# KiCad board Panel-DIY305.kicad_pcb (continued)
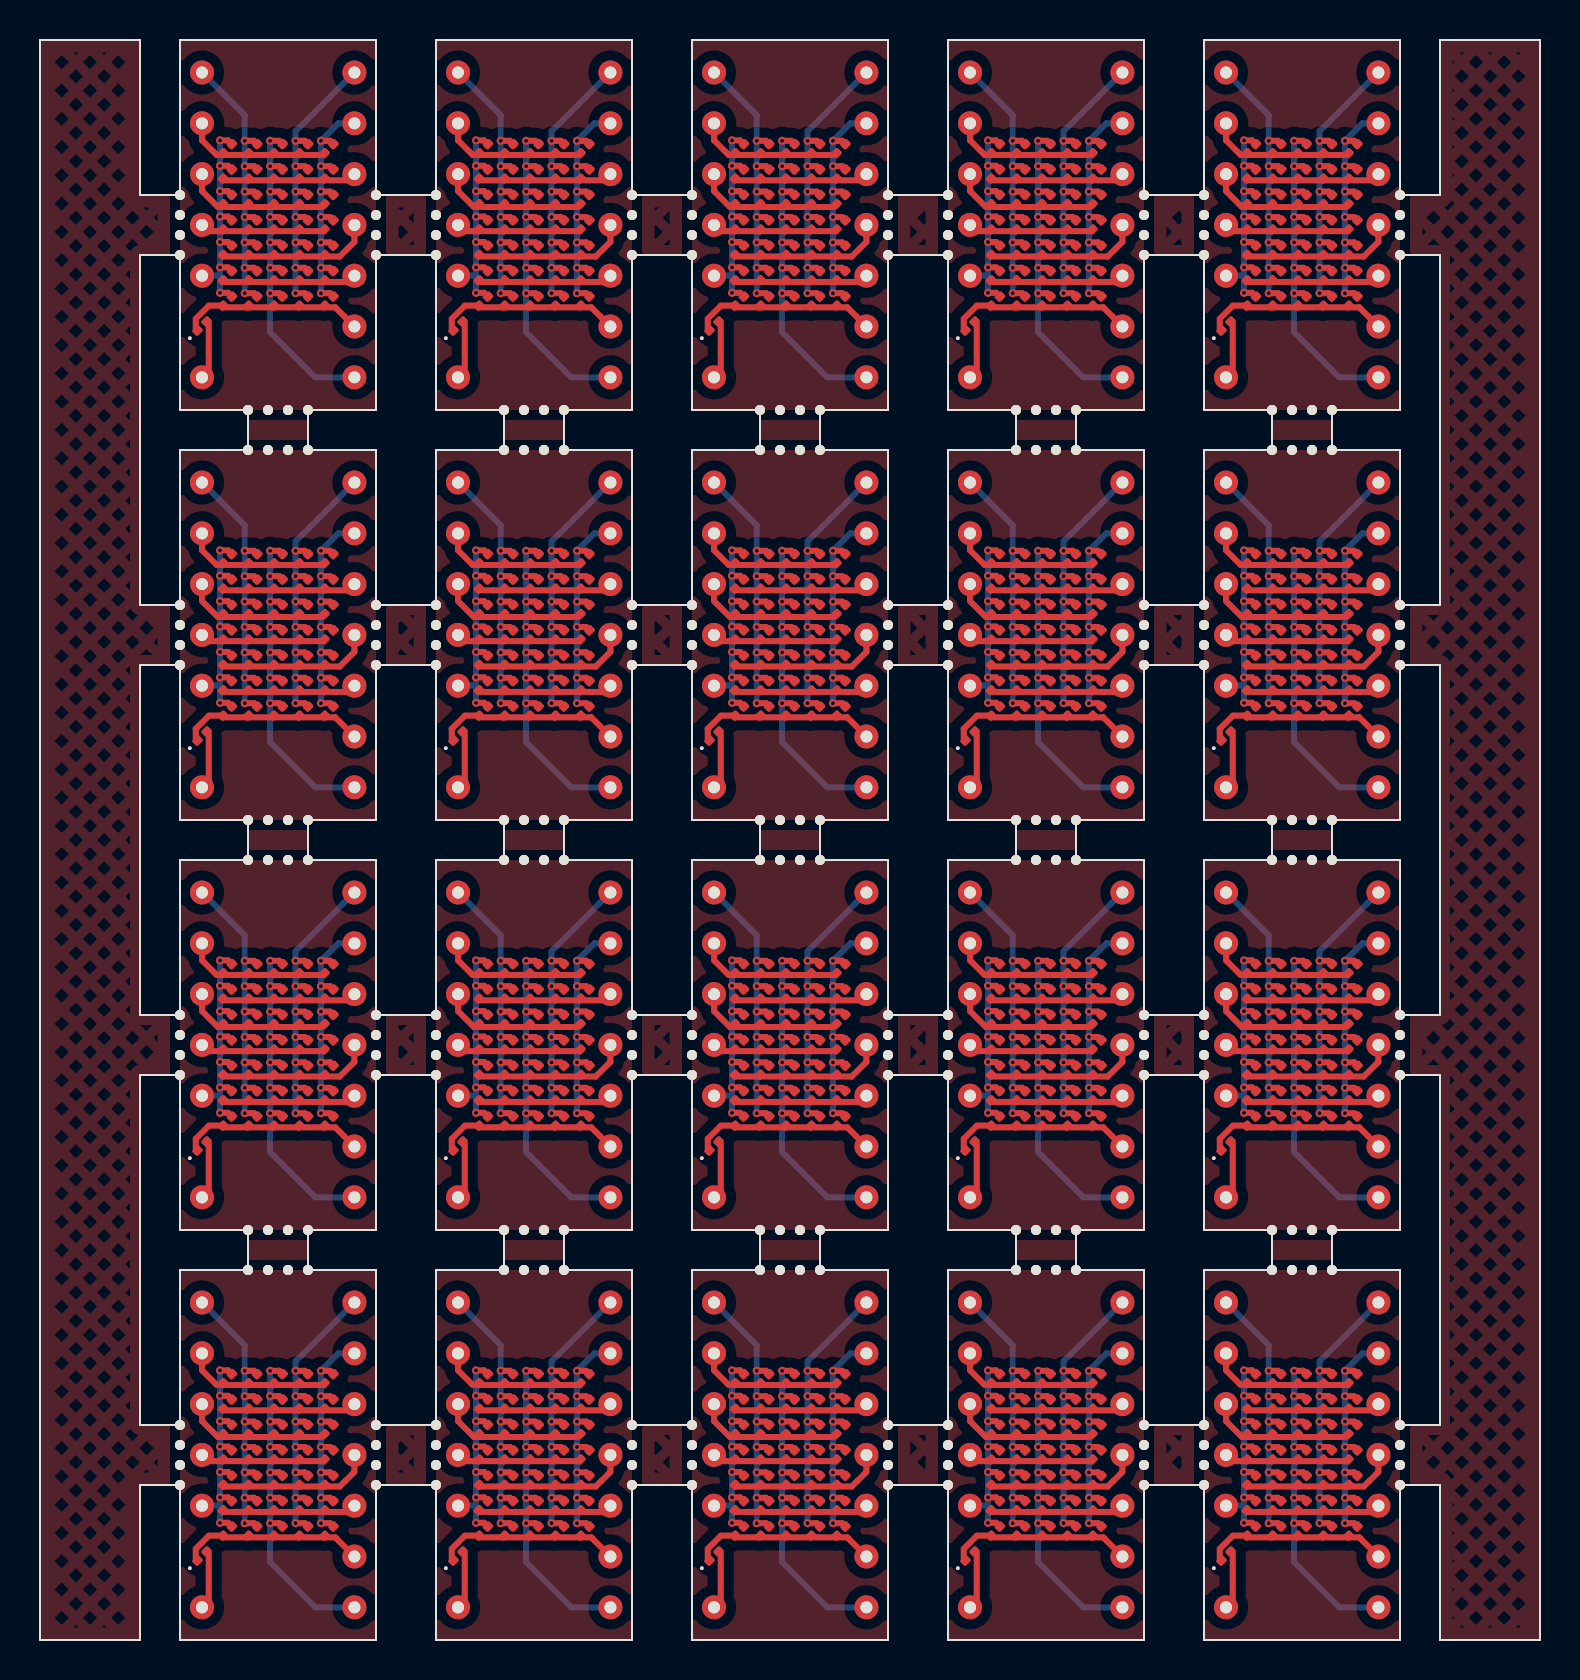
[diagram p0: board, top side]
## Routing (per net, layer and track width the routed paths; a pad name or vN(x,y) marks a point on that pad's centre or on a via; arc(x,y) is an arc through that point)
Board_0-C1: length 13.2
  Top w0.3: D1#13.2 9.41,74.98 v1(9,74.98) ; D7#8.2 9.41,67.36 v1(9,67.36) ; v1(9,71.17) 9.41,71.17 D4#7.2 ; D5#2.2 9.41,69.9 v1(9,69.9) ; D6#20.2 9.41,68.63 v1(9,68.63) ; v1(9,72.44) 9.41,72.44 D3#19.2 ; v1(9,73.71) 9.41,73.71 D2#7.2
  Bottom w0.3: J4#15.5 8.98,68.22 9,68.2 ; 9,68.2 v1(9,67.36) ; 9,68.2 v1(9,74.98)
Board_0-C2: length 16.9
  Top w0.3: 10.21,67.34 v1(10.24,67.34) 10.7,67.34 D14#20.2 ; D10#4.2 10.7,72.42 v1(10.24,72.42) ; v1(10.24,71.15) 10.7,71.15 D11.2 ; D12#14.2 10.7,69.88 v1(10.24,69.88) ; v1(10.24,74.96) 10.7,74.96 D8#19.2 ; v1(10.24,68.61) 10.7,68.61 D13#2.2 ; v1(10.24,73.69) 10.7,73.69 D9#2.2
  Bottom w0.3: v1(10.24,67.34) v1(10.24,74.96) 10.24,76.24 J4#15.1
Board_0-C3: length 19.6
  Top w0.3: v1(11.51,67.34) 11.97,67.34 D21#8.2 ; D20#2.2 11.97,68.61 v1(11.51,68.61) ; v1(11.51,73.69) 11.97,73.69 D16#15.2 ; v1(11.51,74.96) 11.97,74.96 D15#20.2 ; v1(11.51,71.15) 11.97,71.15 D18#5.2 ; D17#11.2 11.97,72.42 v1(11.51,72.42) ; v1(11.51,69.88) 11.97,69.88 D19#15.2
  Bottom w0.3: J4#15.8 13.77,63.13 11.5,65.4 11.5,67.34 v1(11.51,67.34) v1(11.51,74.96)
Board_0-C4: length 17.2
  Top w0.3: v1(12.78,68.61) 13.24,68.61 D27#19.2 ; v1(12.78,69.88) 13.24,69.88 D26#16.2 ; D28#11.2 13.24,67.34 v1(12.78,67.34) ; v1(12.78,71.15) 13.24,71.15 D25#18.2 ; v1(12.78,72.42) 13.24,72.42 D24#3.2 ; v1(12.78,73.69) 13.24,73.69 D23#9.2 ; v1(12.78,74.96) 13.24,74.96 D22#16.2
  Bottom w0.3: J4#15.14 12.78,75.43 v1(12.78,74.96) v1(12.78,67.34)
Board_0-C5: length 14.6
  Top w0.3: v1(14.05,74.96) 14.51,74.96 D29#18.2 ; v1(14.05,72.42) 14.51,72.42 D31#4.2 ; D34#19.2 14.51,68.61 v1(14.05,68.61) ; v1(14.05,73.69) 14.51,73.69 D30#14.2 ; D32#10.2 14.51,71.15 v1(14.05,71.15) ; D33#8.2 14.51,69.88 v1(14.05,69.88) ; D35#2.2 14.51,67.34 v1(14.05,67.34)
  Bottom w0.3: J4#15.13 14.92,75.84 v1(14.05,74.96) v1(14.05,67.34)
Board_0-DP: length 3
  Top w0.2: 8.44,63.47 J4#15.7 ; D36#15.2 8.44,65.82
  Top w0.3: 8.44,65.82 8.44,63.47
Board_0-R1: length 13.6
  Top w0.15: 14.08,74.2 8.89,74.2 8.1,74.99 ; 14.14,74.25 D29#18.1
  Top w0.3: 14.14,74.25 8.83,74.25 8.1,74.99 J4#15.2
Board_0-R2: length 6.7
  Top w0.15: 9.23,72.98 D2#7.1 ; J4#15.12 15.41,72.98
  Top w0.3: 15.41,72.98 9.23,72.98
Board_0-R3: length 16.9
  Top w0.15: 14.08,71.65 D31#4.1 ; 9,71.71 14.14,71.71 ; 9,71.71 9.09,71.8 D3#19.1 9.23,71.71 ; 9,71.71 8.83,71.71 8.1,72.45 ; 9.23,71.71 10.33,71.71 D10#4.1 10.5,71.71 ; 9.23,71.71 10.8,71.71
  Top w0.3: 14.08,71.65 8.9,71.65 8.1,72.45 J4#15.3
Board_0-R4: length 6.3
  Top w0.15: J4#15.4 8.41,70.44 ; 14.14,70.44 D32#10.1
  Top w0.3: 8.41,70.44 14.14,70.44
Board_0-R5: length 7.8
  Top w0.15: 9.23,69.17 D5#2.1
  Top w0.3: 9.23,69.17 14.99,69.17 15.72,69.91 J4#15.11
Board_0-R6: length 6.7
  Top w0.15: 9.23,67.9 D6#20.1 ; J4#15.10 15.41,67.9
  Top w0.3: 15.41,67.9 9.23,67.9
Board_0-R7: length 9.7
  Top w0.15: D7#8.1 9.23,66.63 ; 15.27,65.67 J4#15.9 ; D36#15.1 7.79,65.56
  Top w0.3: 9.23,66.63 14.76,66.63 J4#15.9 ; D7#8.1 8.45,66.72 7.79,66.06 7.79,65.56
Board_1-C1: length 13.2
  Top w0.3: D2#10.2 22.21,73.71 v1(21.8,73.71) ; v1(21.8,72.44) 22.21,72.44 D3#10.2 ; D5#8.2 22.21,69.9 v1(21.8,69.9) ; D7#11.2 22.21,67.36 v1(21.8,67.36) ; v1(21.8,74.98) 22.21,74.98 D1#7.2 ; D4#9.2 22.21,71.17 v1(21.8,71.17) ; v1(21.8,68.63) 22.21,68.63 D6#16.2
  Bottom w0.3: v1(21.8,74.98) 21.8,68.2 ; 21.8,68.2 v1(21.8,67.36) ; 21.8,68.2 21.78,68.22 J4#19.5
Board_1-C2: length 16.9
  Top w0.3: D11#6.2 23.5,71.15 v1(23.04,71.15) ; D13#15.2 23.5,68.61 v1(23.04,68.61) ; v1(23.04,69.88) 23.5,69.88 D12#10.2 ; v1(23.04,74.96) 23.5,74.96 D8#18.2 ; 23.01,67.34 v1(23.04,67.34) 23.5,67.34 D14#15.2 ; v1(23.04,73.69) 23.5,73.69 D9#5.2 ; v1(23.04,72.42) 23.5,72.42 D10#3.2
  Bottom w0.3: J4#19.1 23.04,76.24 v1(23.04,74.96) v1(23.04,67.34)
Board_1-C3: length 19.6
  Top w0.3: v1(24.31,68.61) 24.77,68.61 D20#17.2 ; v1(24.31,73.69) 24.77,73.69 D16#2.2 ; D21#7.2 24.77,67.34 v1(24.31,67.34) ; v1(24.31,71.15) 24.77,71.15 D18#16.2 ; v1(24.31,69.88) 24.77,69.88 D19#18.2 ; D17#6.2 24.77,72.42 v1(24.31,72.42) ; v1(24.31,74.96) 24.77,74.96 D15#19.2
  Bottom w0.3: v1(24.31,74.96) v1(24.31,67.34) 24.3,67.34 24.3,65.4 26.56,63.13 J4#19.8
Board_1-C4: length 17.2
  Top w0.3: D24#12.2 26.04,72.42 v1(25.58,72.42) ; v1(25.58,67.34) 26.04,67.34 D28#13.2 ; D22#5.2 26.04,74.96 v1(25.58,74.96) ; v1(25.58,73.69) 26.04,73.69 D23#5.2 ; v1(25.58,71.15) 26.04,71.15 D25#14.2 ; D27#11.2 26.04,68.61 v1(25.58,68.61) ; D26#2.2 26.04,69.88 v1(25.58,69.88)
  Bottom w0.3: v1(25.58,67.34) v1(25.58,74.96) 25.58,75.43 J4#19.14
Board_1-C5: length 14.6
  Top w0.3: D30.2 27.31,73.69 v1(26.85,73.69) ; D32#6.2 27.31,71.15 v1(26.85,71.15) ; v1(26.85,72.42) 27.31,72.42 D31#16.2 ; D35#6.2 27.31,67.34 v1(26.85,67.34) ; D29.2 27.31,74.96 v1(26.85,74.96) ; v1(26.85,68.61) 27.31,68.61 D34#4.2 ; D33#16.2 27.31,69.88 v1(26.85,69.88)
  Bottom w0.3: v1(26.85,67.34) v1(26.85,74.96) 27.72,75.84 J4#19.13
Board_1-DP: length 3
  Top w0.2: D36#18.2 21.24,65.82 ; 21.24,63.47 J4#19.7
  Top w0.3: 21.24,65.82 21.24,63.47
Board_1-R1: length 13.6
  Top w0.15: 26.88,74.2 21.69,74.2 20.9,74.99 ; 26.94,74.25 D29.1
  Top w0.3: J4#19.2 20.9,74.99 21.63,74.25 26.94,74.25
Board_1-R2: length 6.7
  Top w0.15: J4#19.12 28.21,72.98 ; 22.03,72.98 D2#10.1
  Top w0.3: 28.21,72.98 22.03,72.98
Board_1-R3: length 16.9
  Top w0.15: 22.03,71.71 23.13,71.71 D10#3.1 23.3,71.71 ; 22.03,71.71 D3#10.1 21.89,71.8 21.8,71.71 ; 22.03,71.71 23.6,71.71 ; 21.8,71.71 26.94,71.71 ; 21.8,71.71 21.63,71.71 20.9,72.45 ; 26.88,71.65 D31#16.1
  Top w0.3: J4#19.3 20.9,72.45 21.7,71.65 26.88,71.65
Board_1-R4: length 6.3
  Top w0.15: 26.94,70.44 D32#6.1 ; J4#19.4 21.21,70.44
  Top w0.3: 21.21,70.44 26.94,70.44
Board_1-R5: length 7.8
  Top w0.15: 22.03,69.17 D5#8.1
  Top w0.3: 22.03,69.17 27.79,69.17 28.52,69.91 J4#19.11
Board_1-R6: length 6.7
  Top w0.15: J4#19.10 28.21,67.9 ; 22.03,67.9 D6#16.1
  Top w0.3: 28.21,67.9 22.03,67.9
Board_1-R7: length 9.7
  Top w0.15: 28.07,65.67 J4#19.9 ; D36#18.1 20.59,65.56 ; D7#11.1 22.03,66.63
  Top w0.3: 20.59,65.56 20.59,66.06 21.25,66.72 D7#11.1 ; J4#19.9 27.56,66.63 22.03,66.63
Board_2-C1: length 13.2
  Top w0.3: v1(34.6,69.9) 35.01,69.9 D5#6.2 ; v1(34.6,72.44) 35.01,72.44 D3#14.2 ; v1(34.6,71.17) 35.01,71.17 D4#13.2 ; D7#3.2 35.01,67.36 v1(34.6,67.36) ; v1(34.6,74.98) 35.01,74.98 D1#15.2 ; v1(34.6,73.71) 35.01,73.71 D2#3.2 ; v1(34.6,68.63) 35.01,68.63 D6#9.2
  Bottom w0.3: 34.6,68.2 v1(34.6,67.36) ; 34.6,68.2 v1(34.6,74.98) ; 34.6,68.2 34.59,68.22 J4#20.5
Board_2-C2: length 16.9
  Top w0.3: D13#7.2 36.3,68.61 v1(35.84,68.61) ; 35.81,67.34 v1(35.84,67.34) 36.3,67.34 D14#12.2 ; v1(35.84,72.42) 36.3,72.42 D10#2.2 ; D9#7.2 36.3,73.69 v1(35.84,73.69) ; v1(35.84,71.15) 36.3,71.15 D11#16.2 ; v1(35.84,69.88) 36.3,69.88 D12#7.2 ; v1(35.84,74.96) 36.3,74.96 D8#16.2
  Bottom w0.3: J4#20.1 35.84,76.24 v1(35.84,74.96) v1(35.84,67.34)
Board_2-C3: length 19.6
  Top w0.3: D20#3.2 37.57,68.61 v1(37.11,68.61) ; v1(37.11,69.88) 37.57,69.88 D19#6.2 ; D17#14.2 37.57,72.42 v1(37.11,72.42) ; v1(37.11,73.69) 37.57,73.69 D16#7.2 ; v1(37.11,71.15) 37.57,71.15 D18#10.2 ; v1(37.11,74.96) 37.57,74.96 D15#3.2 ; D21.2 37.57,67.34 v1(37.11,67.34)
  Bottom w0.3: v1(37.11,74.96) v1(37.11,67.34) 37.1,67.34 37.1,65.4 39.37,63.13 J4#20.8
Board_2-C4: length 17.2
  Top w0.3: D24#17.2 38.84,72.42 v1(38.38,72.42) ; v1(38.38,74.96) 38.84,74.96 D22#18.2 ; v1(38.38,73.69) 38.84,73.69 D23#18.2 ; D26#17.2 38.84,69.88 v1(38.38,69.88) ; v1(38.38,71.15) 38.84,71.15 D25#13.2 ; D27#20.2 38.84,68.61 v1(38.38,68.61) ; v1(38.38,67.34) 38.84,67.34 D28#5.2
  Bottom w0.3: J4#20.14 38.38,75.43 v1(38.38,74.96) v1(38.38,67.34)
Board_2-C5: length 14.6
  Top w0.3: v1(39.65,73.69) 40.11,73.69 D30#7.2 ; v1(39.65,67.34) 40.11,67.34 D35#18.2 ; v1(39.65,68.61) 40.11,68.61 D34#10.2 ; D31#9.2 40.11,72.42 v1(39.65,72.42) ; D29#20.2 40.11,74.96 v1(39.65,74.96) ; D33#15.2 40.11,69.88 v1(39.65,69.88) ; v1(39.65,71.15) 40.11,71.15 D32#15.2
  Bottom w0.3: J4#20.13 40.52,75.84 v1(39.65,74.96) v1(39.65,67.34)
Board_2-DP: length 3
  Top w0.2: D36#10.2 34.04,65.82 ; 34.04,63.47 J4#20.7
  Top w0.3: 34.04,65.82 34.04,63.47
Board_2-R1: length 13.6
  Top w0.15: 39.74,74.25 D29#20.1 ; 39.69,74.2 34.49,74.2 33.7,74.99
  Top w0.3: J4#20.2 33.7,74.99 34.43,74.25 39.74,74.25
Board_2-R2: length 6.7
  Top w0.15: J4#20.12 41.01,72.98 ; 34.83,72.98 D2#3.1
  Top w0.3: 41.01,72.98 34.83,72.98
Board_2-R3: length 16.9
  Top w0.15: 36.1,71.71 D10#2.1 35.93,71.71 34.83,71.71 ; 39.68,71.65 D31#9.1 ; 36.4,71.71 34.83,71.71 ; 34.83,71.71 D3#14.1 34.69,71.8 34.6,71.71 ; 33.7,72.45 34.43,71.71 34.6,71.71 ; 34.6,71.71 39.74,71.71
  Top w0.3: 39.68,71.65 34.5,71.65 33.7,72.45 J4#20.3
Board_2-R4: length 6.3
  Top w0.15: 39.74,70.44 D32#15.1 ; J4#20.4 34.01,70.44
  Top w0.3: 34.01,70.44 39.74,70.44
Board_2-R5: length 7.8
  Top w0.15: 34.83,69.17 D5#6.1
  Top w0.3: J4#20.11 41.32,69.91 40.59,69.17 34.83,69.17
Board_2-R6: length 6.7
  Top w0.15: 34.83,67.9 D6#9.1 ; J4#20.10 41.01,67.9
  Top w0.3: 41.01,67.9 34.83,67.9
Board_2-R7: length 9.7
  Top w0.15: D36#10.1 33.39,65.56 ; D7#3.1 34.83,66.63 ; 40.87,65.67 J4#20.9
  Top w0.3: 34.83,66.63 40.36,66.63 J4#20.9 ; 33.39,65.56 33.39,66.06 34.05,66.72 D7#3.1
Board_3-C1: length 13.2
  Top w0.3: D6#6.2 47.81,68.63 v1(47.4,68.63) ; D5#17.2 47.81,69.9 v1(47.4,69.9) ; v1(47.4,74.98) 47.81,74.98 D1.2 ; D3#12.2 47.81,72.44 v1(47.4,72.44) ; D2#12.2 47.81,73.71 v1(47.4,73.71) ; D4#20.2 47.81,71.17 v1(47.4,71.17) ; D7#20.2 47.81,67.36 v1(47.4,67.36)
  Bottom w0.3: J4#7.5 47.38,68.22 47.4,68.2 ; v1(47.4,74.98) 47.4,68.2 ; 47.4,68.2 v1(47.4,67.36)
Board_3-C2: length 16.9
  Top w0.3: v1(48.64,74.96) 49.1,74.96 D8#10.2 ; 48.61,67.34 v1(48.64,67.34) 49.1,67.34 D14#4.2 ; D12#8.2 49.1,69.88 v1(48.64,69.88) ; v1(48.64,68.61) 49.1,68.61 D13#4.2 ; D11#13.2 49.1,71.15 v1(48.64,71.15) ; D9#20.2 49.1,73.69 v1(48.64,73.69) ; v1(48.64,72.42) 49.1,72.42 D10#15.2
  Bottom w0.3: v1(48.64,67.34) v1(48.64,74.96) 48.64,76.24 J4#7.1
Board_3-C3: length 19.6
  Top w0.3: v1(49.91,72.42) 50.37,72.42 D17#7.2 ; v1(49.91,74.96) 50.37,74.96 D15#5.2 ; D16#13.2 50.37,73.69 v1(49.91,73.69) ; D21#10.2 50.37,67.34 v1(49.91,67.34) ; v1(49.91,69.88) 50.37,69.88 D19#3.2 ; v1(49.91,68.61) 50.37,68.61 D20#5.2 ; D18#12.2 50.37,71.15 v1(49.91,71.15)
  Bottom w0.3: J4#7.8 52.16,63.13 49.9,65.4 49.9,67.34 v1(49.91,67.34) v1(49.91,74.96)
Board_3-C4: length 17.2
  Top w0.3: v1(51.18,72.42) 51.64,72.42 D24#18.2 ; v1(51.18,71.15) 51.64,71.15 D25#17.2 ; D23#11.2 51.64,73.69 v1(51.18,73.69) ; v1(51.18,68.61) 51.64,68.61 D27#7.2 ; D26#5.2 51.64,69.88 v1(51.18,69.88) ; D28#15.2 51.64,67.34 v1(51.18,67.34) ; D22#10.2 51.64,74.96 v1(51.18,74.96)
  Bottom w0.3: v1(51.18,67.34) v1(51.18,74.96) 51.18,75.43 J4#7.14
Board_3-C5: length 14.6
  Top w0.3: D34#9.2 52.91,68.61 v1(52.45,68.61) ; D32#5.2 52.91,71.15 v1(52.45,71.15) ; D35#4.2 52.91,67.34 v1(52.45,67.34) ; D29#5.2 52.91,74.96 v1(52.45,74.96) ; v1(52.45,72.42) 52.91,72.42 D31#7.2 ; v1(52.45,69.88) 52.91,69.88 D33#3.2 ; v1(52.45,73.69) 52.91,73.69 D30#6.2
  Bottom w0.3: J4#7.13 53.32,75.84 v1(52.45,74.96) v1(52.45,67.34)
Board_3-DP: length 3
  Top w0.2: 46.84,63.47 J4#7.7 ; D36#16.2 46.84,65.82
  Top w0.3: 46.84,65.82 46.84,63.47
Board_3-R1: length 13.6
  Top w0.15: 46.5,74.99 47.29,74.2 52.49,74.2 ; 52.54,74.25 D29#5.1
  Top w0.3: J4#7.2 46.5,74.99 47.23,74.25 52.54,74.25
Board_3-R2: length 6.7
  Top w0.15: J4#7.12 53.81,72.98 ; 47.63,72.98 D2#12.1
  Top w0.3: 53.81,72.98 47.63,72.98
Board_3-R3: length 16.9
  Top w0.15: 52.47,71.65 D31#7.1 ; 47.63,71.71 48.73,71.71 D10#15.1 48.9,71.71 ; 47.63,71.71 49.2,71.71 ; 47.63,71.71 D3#12.1 47.49,71.8 47.4,71.71 ; 47.4,71.71 52.54,71.71 ; 47.4,71.71 47.23,71.71 46.5,72.45
  Top w0.3: 52.47,71.65 47.3,71.65 46.5,72.45 J4#7.3
Board_3-R4: length 6.3
  Top w0.15: 52.54,70.44 D32#5.1 ; J4#7.4 46.81,70.44
  Top w0.3: 46.81,70.44 52.54,70.44
Board_3-R5: length 7.8
  Top w0.15: 47.63,69.17 D5#17.1
  Top w0.3: 47.63,69.17 53.39,69.17 54.12,69.91 J4#7.11
Board_3-R6: length 6.7
  Top w0.15: 47.63,67.9 D6#6.1 ; J4#7.10 53.81,67.9
  Top w0.3: 53.81,67.9 47.63,67.9
Board_3-R7: length 9.7
  Top w0.15: D7#20.1 47.63,66.63 ; 53.67,65.67 J4#7.9 ; D36#16.1 46.19,65.56
  Top w0.3: 46.19,65.56 46.19,66.06 46.85,66.72 D7#20.1 ; J4#7.9 53.16,66.63 47.63,66.63
Board_4-C1: length 13.2
  Top w0.3: D2#5.2 60.61,73.71 v1(60.2,73.71) ; v1(60.2,74.98) 60.61,74.98 D1#8.2 ; D5#18.2 60.61,69.9 v1(60.2,69.9) ; D3#20.2 60.61,72.44 v1(60.2,72.44) ; v1(60.2,68.63) 60.61,68.63 D6#10.2 ; v1(60.2,67.36) 60.61,67.36 D7#10.2 ; D4.2 60.61,71.17 v1(60.2,71.17)
  Bottom w0.3: v1(60.2,74.98) 60.2,68.2 ; 60.2,68.2 60.19,68.22 J4#9.5 ; 60.2,68.2 v1(60.2,67.36)
Board_4-C2: length 16.9
  Top w0.3: D8#15.2 61.9,74.96 v1(61.44,74.96) ; D12#3.2 61.9,69.88 v1(61.44,69.88) ; D10#6.2 61.9,72.42 v1(61.44,72.42) ; D9#3.2 61.9,73.69 v1(61.44,73.69) ; D11#17.2 61.9,71.15 v1(61.44,71.15) ; D14#9.2 61.9,67.34 v1(61.44,67.34) 61.41,67.34 ; D13#18.2 61.9,68.61 v1(61.44,68.61)
  Bottom w0.3: v1(61.44,67.34) v1(61.44,74.96) 61.44,76.24 J4#9.1
Board_4-C3: length 19.6
  Top w0.3: v1(62.71,69.88) 63.17,69.88 D19#9.2 ; D15#16.2 63.17,74.96 v1(62.71,74.96) ; v1(62.71,67.34) 63.17,67.34 D21#20.2 ; D20#12.2 63.17,68.61 v1(62.71,68.61) ; D16#10.2 63.17,73.69 v1(62.71,73.69) ; v1(62.71,71.15) 63.17,71.15 D18#8.2 ; v1(62.71,72.42) 63.17,72.42 D17#20.2
  Bottom w0.3: v1(62.71,74.96) v1(62.71,67.34) 62.7,67.34 62.7,65.4 64.97,63.13 J4#9.8
Board_4-C4: length 17.2
  Top w0.3: D28#6.2 64.44,67.34 v1(63.98,67.34) ; D23#8.2 64.44,73.69 v1(63.98,73.69) ; D27#17.2 64.44,68.61 v1(63.98,68.61) ; v1(63.98,71.15) 64.44,71.15 D25#2.2 ; v1(63.98,72.42) 64.44,72.42 D24#4.2 ; v1(63.98,74.96) 64.44,74.96 D22#11.2 ; v1(63.98,69.88) 64.44,69.88 D26#15.2
  Bottom w0.3: J4#9.14 63.98,75.43 v1(63.98,74.96) v1(63.98,67.34)
Board_4-C5: length 14.6
  Top w0.3: D33#17.2 65.71,69.88 v1(65.25,69.88) ; v1(65.25,74.96) 65.71,74.96 D29#3.2 ; D30#15.2 65.71,73.69 v1(65.25,73.69) ; v1(65.25,67.34) 65.71,67.34 D35#13.2 ; v1(65.25,68.61) 65.71,68.61 D34#14.2 ; v1(65.25,71.15) 65.71,71.15 D32#8.2 ; v1(65.25,72.42) 65.71,72.42 D31#12.2
  Bottom w0.3: J4#9.13 66.12,75.84 v1(65.25,74.96) v1(65.25,67.34)
Board_4-DP: length 3
  Top w0.2: D36#4.2 59.64,65.82 ; 59.64,63.47 J4#9.7
  Top w0.3: 59.64,65.82 59.64,63.47
Board_4-R1: length 13.6
  Top w0.15: 65.28,74.2 60.09,74.2 59.3,74.99 ; 65.34,74.25 D29#3.1
  Top w0.3: J4#9.2 59.3,74.99 60.03,74.25 65.34,74.25
Board_4-R2: length 6.7
  Top w0.15: J4#9.12 66.61,72.98 ; 60.43,72.98 D2#5.1
  Top w0.3: 66.61,72.98 60.43,72.98
Board_4-R3: length 16.9
  Top w0.15: 62,71.71 60.43,71.71 ; 60.43,71.71 D3#20.1 60.29,71.8 60.2,71.71 ; 60.43,71.71 61.53,71.71 D10#6.1 61.7,71.71 ; 60.2,71.71 65.34,71.71 ; 60.2,71.71 60.03,71.71 59.3,72.45 ; 65.28,71.65 D31#12.1
  Top w0.3: 65.28,71.65 60.1,71.65 59.3,72.45 J4#9.3
Board_4-R4: length 6.3
  Top w0.15: 65.34,70.44 D32#8.1 ; J4#9.4 59.61,70.44
  Top w0.3: 59.61,70.44 65.34,70.44
Board_4-R5: length 7.8
  Top w0.15: 60.43,69.17 D5#18.1
  Top w0.3: J4#9.11 66.92,69.91 66.19,69.17 60.43,69.17
Board_4-R6: length 6.7
  Top w0.15: J4#9.10 66.61,67.9 ; 60.43,67.9 D6#10.1
  Top w0.3: 66.61,67.9 60.43,67.9
Board_4-R7: length 9.7
  Top w0.15: 66.47,65.67 J4#9.9 ; D36#4.1 58.99,65.56 ; D7#10.1 60.43,66.63
  Top w0.3: J4#9.9 65.96,66.63 60.43,66.63 ; D7#10.1 59.65,66.72 58.99,66.06 58.99,65.56
Board_5-C1: length 13.2
  Top w0.3: D7#5.2 9.41,46.86 v1(9,46.86) ; D1#20.2 9.41,54.48 v1(9,54.48) ; v1(9,51.94) 9.41,51.94 D3#15.2 ; v1(9,53.21) 9.41,53.21 D2#16.2 ; v1(9,48.13) 9.41,48.13 D6#14.2 ; v1(9,50.67) 9.41,50.67 D4#10.2 ; v1(9,49.4) 9.41,49.4 D5#20.2
  Bottom w0.3: 9,47.7 v1(9,46.86) ; 9,47.7 v1(9,54.48) ; 9,47.7 8.98,47.72 J4#17.5
Board_5-C2: length 16.9
  Top w0.3: D8#14.2 10.7,54.46 v1(10.24,54.46) ; v1(10.24,51.92) 10.7,51.92 D10#7.2 ; v1(10.24,50.65) 10.7,50.65 D11#19.2 ; 10.21,46.84 v1(10.24,46.84) 10.7,46.84 D14#3.2 ; v1(10.24,53.19) 10.7,53.19 D9#17.2 ; D12#11.2 10.7,49.38 v1(10.24,49.38) ; v1(10.24,48.11) 10.7,48.11 D13#20.2
  Bottom w0.3: J4#17.1 10.24,55.74 v1(10.24,54.46) v1(10.24,46.84)
Board_5-C3: length 19.6
  Top w0.3: v1(11.51,53.19) 11.97,53.19 D16#9.2 ; D19#10.2 11.97,49.38 v1(11.51,49.38) ; v1(11.51,50.65) 11.97,50.65 D18#17.2 ; D17#2.2 11.97,51.92 v1(11.51,51.92) ; v1(11.51,48.11) 11.97,48.11 D20#6.2 ; v1(11.51,54.46) 11.97,54.46 D15#2.2 ; v1(11.51,46.84) 11.97,46.84 D21#11.2
  Bottom w0.3: v1(11.51,54.46) v1(11.51,46.84) 11.5,46.84 11.5,44.9 13.77,42.63 J4#17.8
Board_5-C4: length 17.2
  Top w0.3: D28#8.2 13.24,46.84 v1(12.78,46.84) ; v1(12.78,53.19) 13.24,53.19 D23#4.2 ; D27#14.2 13.24,48.11 v1(12.78,48.11) ; v1(12.78,51.92) 13.24,51.92 D24.2 ; D26#4.2 13.24,49.38 v1(12.78,49.38) ; D25#5.2 13.24,50.65 v1(12.78,50.65) ; D22#2.2 13.24,54.46 v1(12.78,54.46)
  Bottom w0.3: J4#17.14 12.78,54.93 v1(12.78,54.46) v1(12.78,46.84)
Board_5-C5: length 14.6
  Top w0.3: D30#10.2 14.51,53.19 v1(14.05,53.19) ; D35#14.2 14.51,46.84 v1(14.05,46.84) ; D29#2.2 14.51,54.46 v1(14.05,54.46) ; v1(14.05,50.65) 14.51,50.65 D32#3.2 ; v1(14.05,51.92) 14.51,51.92 D31#20.2 ; v1(14.05,49.38) 14.51,49.38 D33#12.2 ; D34#20.2 14.51,48.11 v1(14.05,48.11)
  Bottom w0.3: J4#17.13 14.92,55.34 v1(14.05,54.46) v1(14.05,46.84)
Board_5-DP: length 3
  Top w0.2: 8.44,42.97 J4#17.7 ; D36#11.2 8.44,45.32
  Top w0.3: 8.44,45.32 8.44,42.97
Board_5-R1: length 13.6
  Top w0.15: 14.08,53.7 8.89,53.7 8.1,54.49 ; 14.14,53.75 D29#2.1
  Top w0.3: J4#17.2 8.1,54.49 8.83,53.75 14.14,53.75
Board_5-R2: length 6.7
  Top w0.15: 9.23,52.48 D2#16.1 ; J4#17.12 15.41,52.48
  Top w0.3: 15.41,52.48 9.23,52.48
Board_5-R3: length 16.9
  Top w0.15: 9,51.21 14.14,51.21 ; 9,51.21 9.09,51.3 D3#15.1 9.23,51.21 ; 9,51.21 8.83,51.21 8.1,51.95 ; 10.5,51.21 D10#7.1 10.33,51.21 9.23,51.21 ; 10.8,51.21 9.23,51.21 ; 14.08,51.15 D31#20.1
  Top w0.3: J4#17.3 8.1,51.95 8.9,51.15 14.08,51.15
Board_5-R4: length 6.3
  Top w0.15: 14.14,49.94 D32#3.1 ; J4#17.4 8.41,49.94
  Top w0.3: 8.41,49.94 14.14,49.94
Board_5-R5: length 7.8
  Top w0.15: 9.23,48.67 D5#20.1
  Top w0.3: J4#17.11 15.72,49.41 14.99,48.67 9.23,48.67
Board_5-R6: length 6.7
  Top w0.15: J4#17.10 15.41,47.4 ; 9.23,47.4 D6#14.1
  Top w0.3: 15.41,47.4 9.23,47.4
Board_5-R7: length 9.7
  Top w0.15: D7#5.1 9.23,46.13 ; 15.27,45.17 J4#17.9 ; D36#11.1 7.79,45.06
  Top w0.3: D7#5.1 8.45,46.22 7.79,45.56 7.79,45.06 ; J4#17.9 14.76,46.13 9.23,46.13
Board_6-C1: length 13.2
  Top w0.3: v1(21.8,50.67) 22.21,50.67 D4#16.2 ; D6#2.2 22.21,48.13 v1(21.8,48.13) ; D2#14.2 22.21,53.21 v1(21.8,53.21) ; D5#5.2 22.21,49.4 v1(21.8,49.4) ; v1(21.8,51.94) 22.21,51.94 D3#17.2 ; D7#9.2 22.21,46.86 v1(21.8,46.86) ; D1#2.2 22.21,54.48 v1(21.8,54.48)
  Bottom w0.3: 21.8,47.7 21.78,47.72 J4#18.5 ; 21.8,47.7 v1(21.8,46.86) ; 21.8,47.7 v1(21.8,54.48)
Board_6-C2: length 16.9
  Top w0.3: v1(23.04,48.11) 23.5,48.11 D13#16.2 ; D11#3.2 23.5,50.65 v1(23.04,50.65) ; D8#20.2 23.5,54.46 v1(23.04,54.46) ; D12#18.2 23.5,49.38 v1(23.04,49.38) ; v1(23.04,51.92) 23.5,51.92 D10#19.2 ; D14.2 23.5,46.84 v1(23.04,46.84) 23.01,46.84 ; v1(23.04,53.19) 23.5,53.19 D9.2
  Bottom w0.3: J4#18.1 23.04,55.74 v1(23.04,54.46) v1(23.04,46.84)
Board_6-C3: length 19.6
  Top w0.3: v1(24.31,53.19) 24.77,53.19 D16#19.2 ; v1(24.31,49.38) 24.77,49.38 D19#14.2 ; v1(24.31,51.92) 24.77,51.92 D17#4.2 ; v1(24.31,50.65) 24.77,50.65 D18#3.2 ; D15#6.2 24.77,54.46 v1(24.31,54.46) ; D21#9.2 24.77,46.84 v1(24.31,46.84) ; D20#18.2 24.77,48.11 v1(24.31,48.11)
  Bottom w0.3: v1(24.31,54.46) v1(24.31,46.84) 24.3,46.84 24.3,44.9 26.56,42.63 J4#18.8
Board_6-C4: length 17.2
  Top w0.3: v1(25.58,53.19) 26.04,53.19 D23#17.2 ; D22#3.2 26.04,54.46 v1(25.58,54.46) ; D27#6.2 26.04,48.11 v1(25.58,48.11) ; v1(25.58,51.92) 26.04,51.92 D24#2.2 ; v1(25.58,46.84) 26.04,46.84 D28#3.2 ; D25#20.2 26.04,50.65 v1(25.58,50.65) ; v1(25.58,49.38) 26.04,49.38 D26#8.2
  Bottom w0.3: v1(25.58,46.84) v1(25.58,54.46) 25.58,54.93 J4#18.14
Board_6-C5: length 14.6
  Top w0.3: D35#8.2 27.31,46.84 v1(26.85,46.84) ; v1(26.85,49.38) 27.31,49.38 D33#13.2 ; D34#6.2 27.31,48.11 v1(26.85,48.11) ; D30#8.2 27.31,53.19 v1(26.85,53.19) ; v1(26.85,50.65) 27.31,50.65 D32#20.2 ; D31#2.2 27.31,51.92 v1(26.85,51.92) ; D29#17.2 27.31,54.46 v1(26.85,54.46)
  Bottom w0.3: v1(26.85,46.84) v1(26.85,54.46) 27.72,55.34 J4#18.13
Board_6-DP: length 3
  Top w0.2: 21.24,42.97 J4#18.7 ; D36#17.2 21.24,45.32
  Top w0.3: 21.24,45.32 21.24,42.97
Board_6-R1: length 13.6
  Top w0.15: 20.9,54.49 21.69,53.7 26.88,53.7 ; 26.94,53.75 D29#17.1
  Top w0.3: J4#18.2 20.9,54.49 21.63,53.75 26.94,53.75
Board_6-R2: length 6.7
  Top w0.15: 22.03,52.48 D2#14.1 ; J4#18.12 28.21,52.48
  Top w0.3: 28.21,52.48 22.03,52.48
Board_6-R3: length 16.9
  Top w0.15: 21.8,51.21 21.63,51.21 20.9,51.95 ; 21.8,51.21 21.89,51.3 D3#17.1 22.03,51.21 ; 21.8,51.21 26.94,51.21 ; 26.88,51.15 D31#2.1 ; 23.6,51.21 22.03,51.21 ; 22.03,51.21 23.13,51.21 D10#19.1 23.3,51.21
  Top w0.3: J4#18.3 20.9,51.95 21.7,51.15 26.88,51.15
Board_6-R4: length 6.3
  Top w0.15: J4#18.4 21.21,49.94 ; 26.94,49.94 D32#20.1
  Top w0.3: 21.21,49.94 26.94,49.94
Board_6-R5: length 7.8
  Top w0.15: 22.03,48.67 D5#5.1
  Top w0.3: 22.03,48.67 27.79,48.67 28.52,49.41 J4#18.11
Board_6-R6: length 6.7
  Top w0.15: J4#18.10 28.21,47.4 ; 22.03,47.4 D6#2.1
  Top w0.3: 28.21,47.4 22.03,47.4
Board_6-R7: length 9.7
  Top w0.15: 28.07,45.17 J4#18.9 ; D36#17.1 20.59,45.06 ; D7#9.1 22.03,46.13
  Top w0.3: 22.03,46.13 27.56,46.13 J4#18.9 ; 20.59,45.06 20.59,45.56 21.25,46.22 D7#9.1
Board_7-C1: length 13.2
  Top w0.3: D2#13.2 35.01,53.21 v1(34.6,53.21) ; D1#14.2 35.01,54.48 v1(34.6,54.48) ; D5#15.2 35.01,49.4 v1(34.6,49.4) ; D7#13.2 35.01,46.86 v1(34.6,46.86) ; D3#5.2 35.01,51.94 v1(34.6,51.94) ; D6#13.2 35.01,48.13 v1(34.6,48.13) ; D4#18.2 35.01,50.67 v1(34.6,50.67)
  Bottom w0.3: J4#16.5 34.59,47.72 34.6,47.7 ; 34.6,47.7 v1(34.6,46.86) ; 34.6,47.7 v1(34.6,54.48)
Board_7-C2: length 16.9
  Top w0.3: D10#16.2 36.3,51.92 v1(35.84,51.92) ; 35.81,46.84 v1(35.84,46.84) 36.3,46.84 D14#13.2 ; D11#12.2 36.3,50.65 v1(35.84,50.65) ; v1(35.84,49.38) 36.3,49.38 D12#17.2 ; v1(35.84,54.46) 36.3,54.46 D8#3.2 ; v1(35.84,48.11) 36.3,48.11 D13#17.2 ; v1(35.84,53.19) 36.3,53.19 D9#9.2
  Bottom w0.3: J4#16.1 35.84,55.74 v1(35.84,54.46) v1(35.84,46.84)
Board_7-C3: length 19.6
  Top w0.3: v1(37.11,54.46) 37.57,54.46 D15#13.2 ; D21#17.2 37.57,46.84 v1(37.11,46.84) ; D17#10.2 37.57,51.92 v1(37.11,51.92) ; D20#13.2 37.57,48.11 v1(37.11,48.11) ; v1(37.11,53.19) 37.57,53.19 D16#18.2 ; D18#7.2 37.57,50.65 v1(37.11,50.65) ; v1(37.11,49.38) 37.57,49.38 D19#17.2
  Bottom w0.3: v1(37.11,54.46) v1(37.11,46.84) 37.1,46.84 37.1,44.9 39.37,42.63 J4#16.8
Board_7-C4: length 17.2
  Top w0.3: D24#10.2 38.84,51.92 v1(38.38,51.92) ; v1(38.38,54.46) 38.84,54.46 D22#13.2 ; D23#14.2 38.84,53.19 v1(38.38,53.19) ; D25#8.2 38.84,50.65 v1(38.38,50.65) ; v1(38.38,46.84) 38.84,46.84 D28#19.2 ; v1(38.38,49.38) 38.84,49.38 D26#9.2 ; v1(38.38,48.11) 38.84,48.11 D27#5.2
  Bottom w0.3: v1(38.38,46.84) v1(38.38,54.46) 38.38,54.93 J4#16.14
Board_7-C5: length 14.6
  Top w0.3: D35#10.2 40.11,46.84 v1(39.65,46.84) ; D30#5.2 40.11,53.19 v1(39.65,53.19) ; v1(39.65,48.11) 40.11,48.11 D34#2.2 ; D33#7.2 40.11,49.38 v1(39.65,49.38) ; D29#10.2 40.11,54.46 v1(39.65,54.46) ; v1(39.65,51.92) 40.11,51.92 D31#8.2 ; D32#12.2 40.11,50.65 v1(39.65,50.65)
  Bottom w0.3: J4#16.13 40.52,55.34 v1(39.65,54.46) v1(39.65,46.84)
Board_7-DP: length 3
  Top w0.2: D36#12.2 34.04,45.32 ; 34.04,42.97 J4#16.7
  Top w0.3: 34.04,45.32 34.04,42.97
Board_7-R1: length 13.6
  Top w0.15: 39.69,53.7 34.49,53.7 33.7,54.49 ; 39.74,53.75 D29#10.1
  Top w0.3: 39.74,53.75 34.43,53.75 33.7,54.49 J4#16.2
Board_7-R2: length 6.7
  Top w0.15: 34.83,52.48 D2#13.1 ; J4#16.12 41.01,52.48
  Top w0.3: 41.01,52.48 34.83,52.48
Board_7-R3: length 16.9
  Top w0.15: 33.7,51.95 34.43,51.21 34.6,51.21 ; 34.83,51.21 35.93,51.21 D10#16.1 36.1,51.21 ; 34.83,51.21 D3#5.1 34.69,51.3 34.6,51.21 ; 34.83,51.21 36.4,51.21 ; 34.6,51.21 39.74,51.21 ; 39.68,51.15 D31#8.1
  Top w0.3: 39.68,51.15 34.5,51.15 33.7,51.95 J4#16.3
Board_7-R4: length 6.3
  Top w0.15: 39.74,49.94 D32#12.1 ; J4#16.4 34.01,49.94
  Top w0.3: 34.01,49.94 39.74,49.94
Board_7-R5: length 7.8
  Top w0.15: 34.83,48.67 D5#15.1
  Top w0.3: 34.83,48.67 40.59,48.67 41.32,49.41 J4#16.11
Board_7-R6: length 6.7
  Top w0.15: 34.83,47.4 D6#13.1 ; J4#16.10 41.01,47.4
  Top w0.3: 41.01,47.4 34.83,47.4
Board_7-R7: length 9.7
  Top w0.15: D7#13.1 34.83,46.13 ; 40.87,45.17 J4#16.9 ; D36#12.1 33.39,45.06
  Top w0.3: 34.83,46.13 40.36,46.13 J4#16.9 ; D7#13.1 34.05,46.22 33.39,45.56 33.39,45.06
Board_8-C1: length 13.2
  Top w0.3: v1(47.4,51.94) 47.81,51.94 D3#4.2 ; D4#11.2 47.81,50.67 v1(47.4,50.67) ; D6#5.2 47.81,48.13 v1(47.4,48.13) ; v1(47.4,49.4) 47.81,49.4 D5#9.2 ; D2#15.2 47.81,53.21 v1(47.4,53.21) ; v1(47.4,54.48) 47.81,54.48 D1#6.2 ; D7#2.2 47.81,46.86 v1(47.4,46.86)
  Bottom w0.3: 47.4,47.7 47.38,47.72 J4#8.5 ; 47.4,47.7 v1(47.4,54.48) ; 47.4,47.7 v1(47.4,46.86)
Board_8-C2: length 16.9
  Top w0.3: D9#15.2 49.1,53.19 v1(48.64,53.19) ; D14#17.2 49.1,46.84 v1(48.64,46.84) 48.61,46.84 ; D13#12.2 49.1,48.11 v1(48.64,48.11) ; D12#5.2 49.1,49.38 v1(48.64,49.38) ; D11#7.2 49.1,50.65 v1(48.64,50.65) ; v1(48.64,51.92) 49.1,51.92 D10#11.2 ; D8#12.2 49.1,54.46 v1(48.64,54.46)
  Bottom w0.3: J4#8.1 48.64,55.74 v1(48.64,54.46) v1(48.64,46.84)
Board_8-C3: length 19.6
  Top w0.3: v1(49.91,49.38) 50.37,49.38 D19#12.2 ; v1(49.91,53.19) 50.37,53.19 D16#6.2 ; v1(49.91,50.65) 50.37,50.65 D18#18.2 ; D17#18.2 50.37,51.92 v1(49.91,51.92) ; v1(49.91,48.11) 50.37,48.11 D20#7.2 ; D15#7.2 50.37,54.46 v1(49.91,54.46) ; D21#6.2 50.37,46.84 v1(49.91,46.84)
  Bottom w0.3: v1(49.91,54.46) v1(49.91,46.84) 49.9,46.84 49.9,44.9 52.16,42.63 J4#8.8
Board_8-C4: length 17.2
  Top w0.3: v1(51.18,48.11) 51.64,48.11 D27#3.2 ; D25#10.2 51.64,50.65 v1(51.18,50.65) ; v1(51.18,49.38) 51.64,49.38 D26#13.2 ; v1(51.18,46.84) 51.64,46.84 D28#17.2 ; v1(51.18,51.92) 51.64,51.92 D24#16.2 ; D23#16.2 51.64,53.19 v1(51.18,53.19) ; v1(51.18,54.46) 51.64,54.46 D22#17.2
  Bottom w0.3: v1(51.18,46.84) v1(51.18,54.46) 51.18,54.93 J4#8.14
Board_8-C5: length 14.6
  Top w0.3: D30#18.2 52.91,53.19 v1(52.45,53.19) ; v1(52.45,48.11) 52.91,48.11 D34#16.2 ; v1(52.45,46.84) 52.91,46.84 D35#5.2 ; v1(52.45,49.38) 52.91,49.38 D33#4.2 ; D32#4.2 52.91,50.65 v1(52.45,50.65) ; D29#15.2 52.91,54.46 v1(52.45,54.46) ; D31#15.2 52.91,51.92 v1(52.45,51.92)
  Bottom w0.3: J4#8.13 53.32,55.34 v1(52.45,54.46) v1(52.45,46.84)
Board_8-DP: length 3
  Top w0.2: 46.84,42.97 J4#8.7 ; D36#2.2 46.84,45.32
  Top w0.3: 46.84,45.32 46.84,42.97
Board_8-R1: length 13.6
  Top w0.15: 46.5,54.49 47.29,53.7 52.49,53.7 ; 52.54,53.75 D29#15.1
  Top w0.3: J4#8.2 46.5,54.49 47.23,53.75 52.54,53.75
Board_8-R2: length 6.7
  Top w0.15: 47.63,52.48 D2#15.1 ; J4#8.12 53.81,52.48
  Top w0.3: 53.81,52.48 47.63,52.48
Board_8-R3: length 16.9
  Top w0.15: 47.63,51.21 48.73,51.21 D10#11.1 48.9,51.21 ; 47.63,51.21 D3#4.1 47.49,51.3 47.4,51.21 ; 47.63,51.21 49.2,51.21 ; 52.47,51.15 D31#15.1 ; 47.4,51.21 52.54,51.21 ; 47.4,51.21 47.23,51.21 46.5,51.95
  Top w0.3: 52.47,51.15 47.3,51.15 46.5,51.95 J4#8.3
Board_8-R4: length 6.3
  Top w0.15: 52.54,49.94 D32#4.1 ; J4#8.4 46.81,49.94
  Top w0.3: 46.81,49.94 52.54,49.94
